# Altium PCB HAWACO_DATALOGER_DT-G2_V1.0.PcbDoc (part 3 of 3)
Units mm, origin at the board's own origin, x right, y up, seen from the top; angles counter-clockwise.
Board outline 100 x 100 mm, 4 copper layers (Top Layer, Layer 2, Layer 3, Bottom Layer), stack 1.597 mm thick; 246 components, 185 nets, 854 pads, 980 vias.
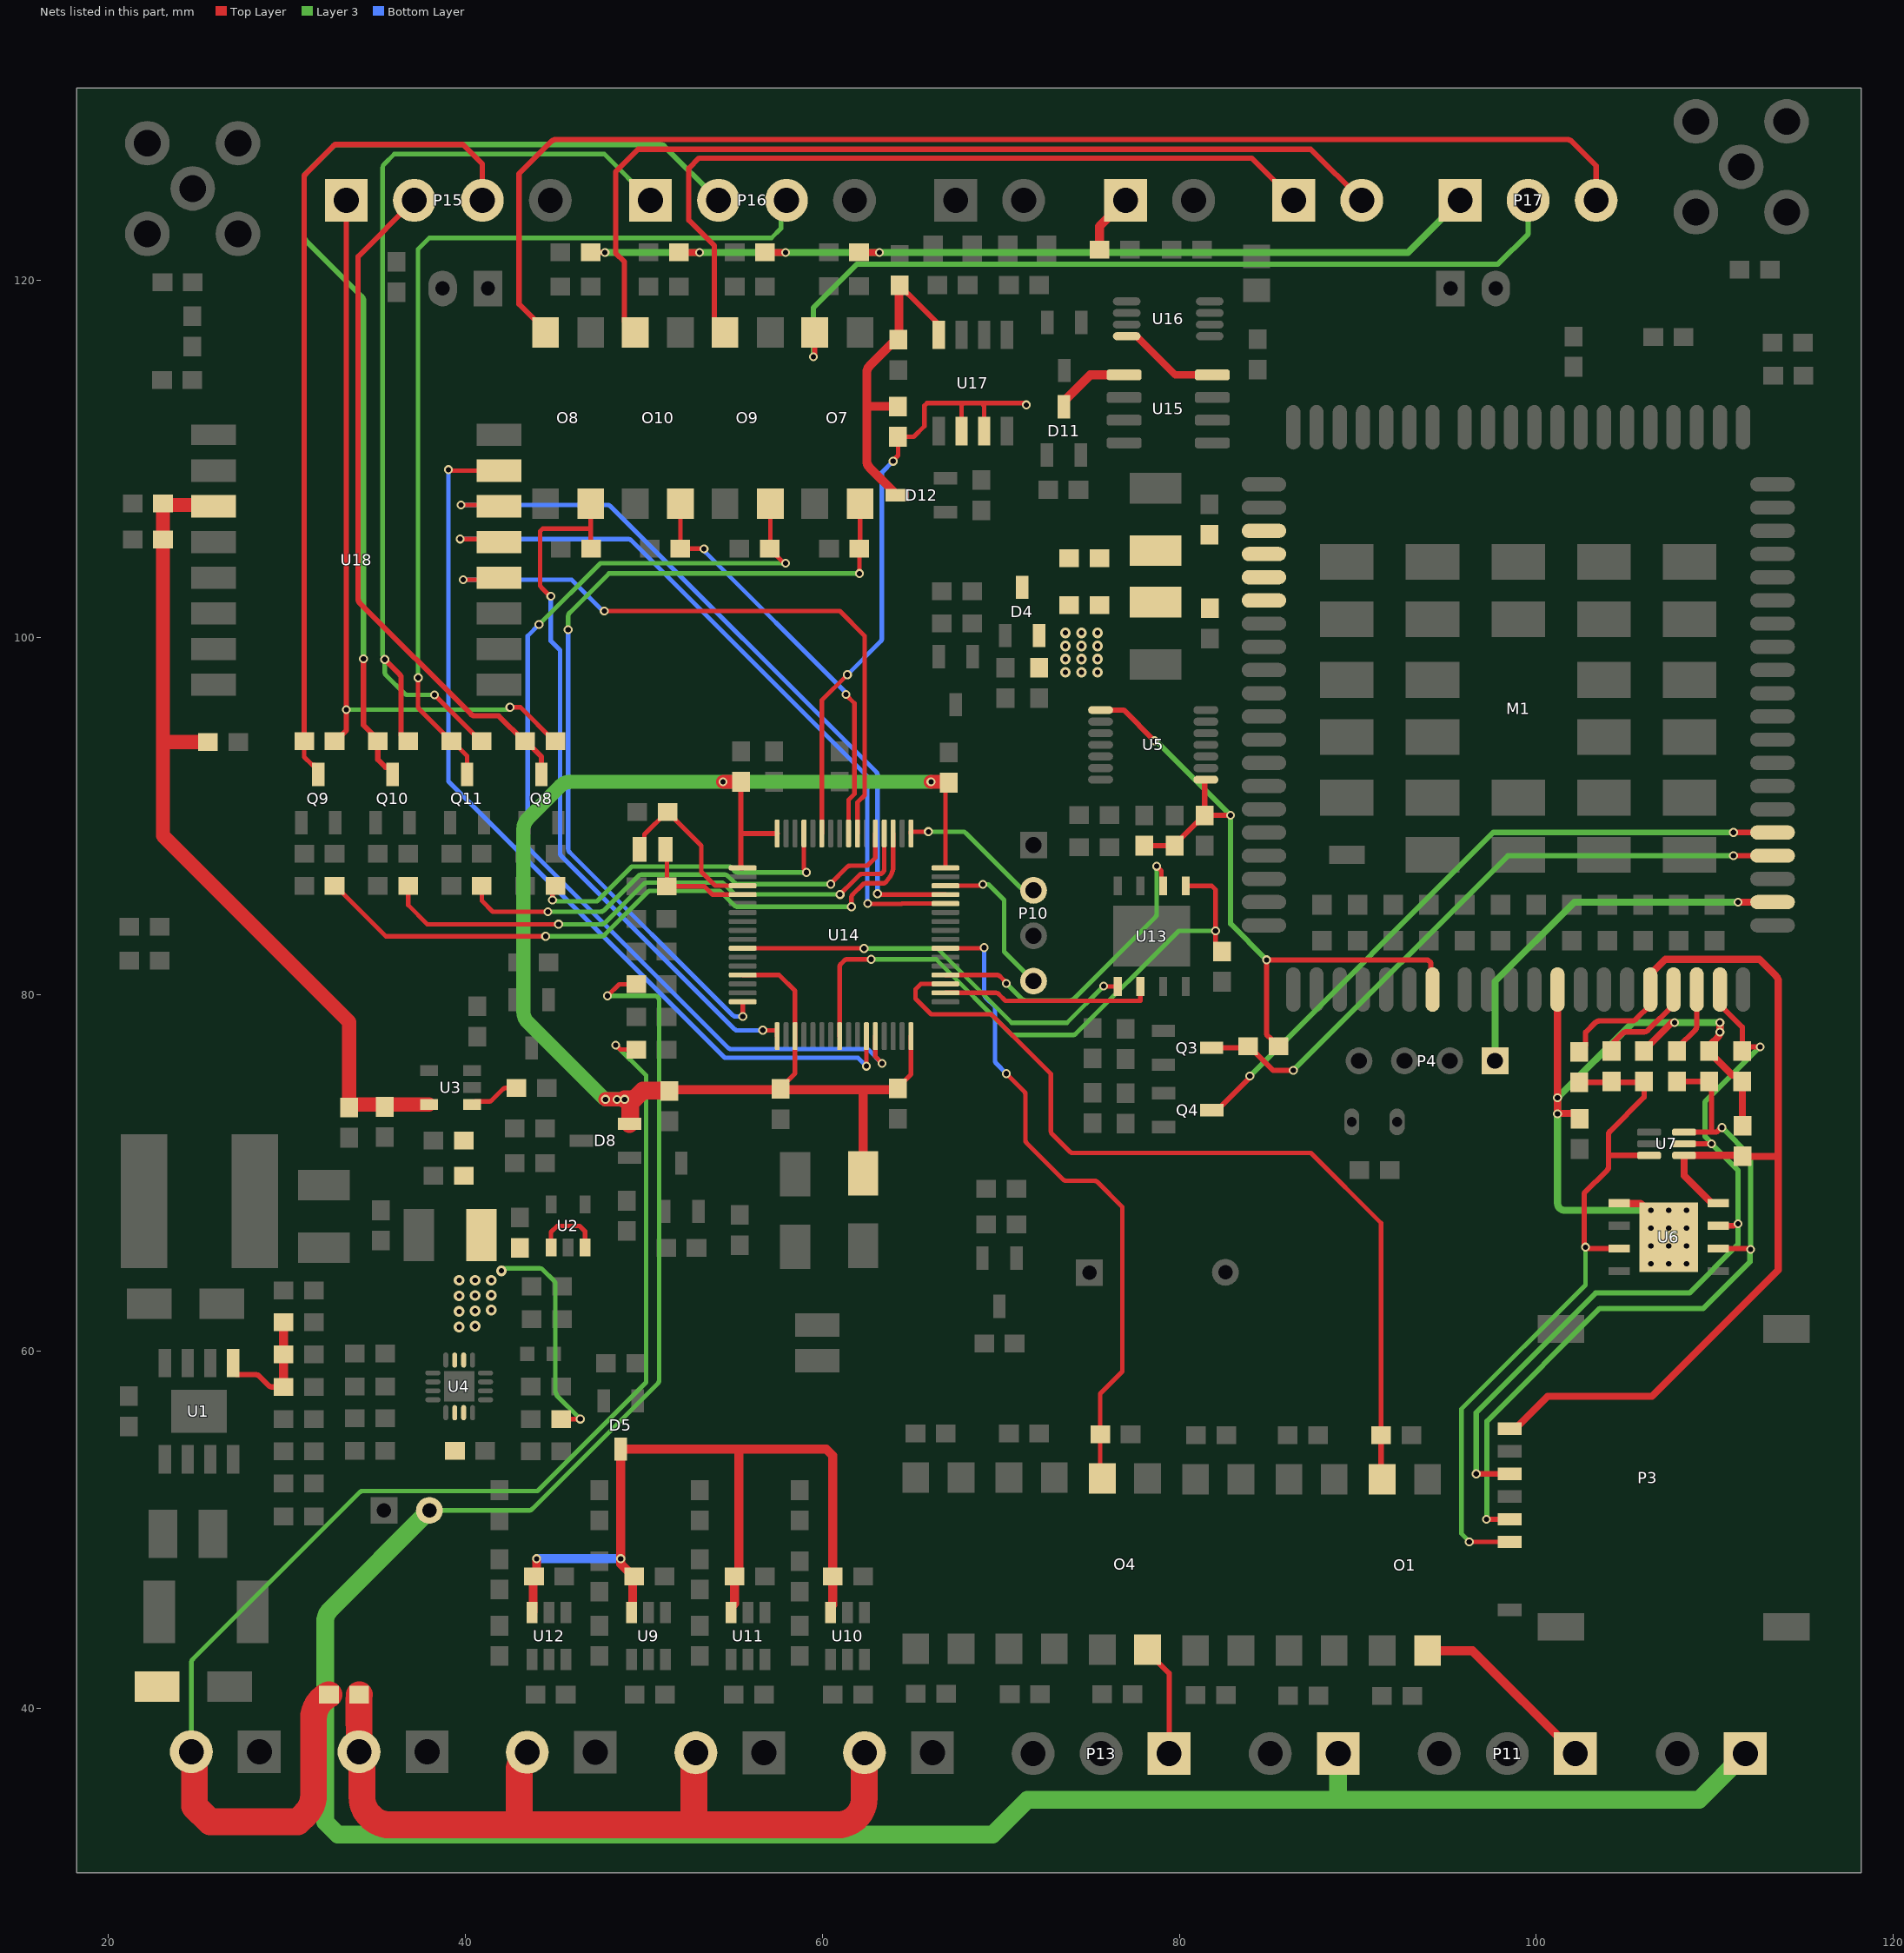
[diagram p5: the nets of this part, all layers, seen from the top]

## Via types
v1: diameter 0.6, hole 0.3, Top Layer to Bottom Layer, tented both sides, 674 vias
v2: diameter 0.5, hole 0.3, Top Layer to Bottom Layer, tented both sides, 306 vias

## Nets (pads, with @x,y where several pads share a name; then routed paths per layer and width w, separated by ;. In a path a pad name is that pad's centre, name@x,y a point inside that pad or via, vN(x,y) a via of type N, cw(c..) or ccw(c..) an arc to the next point about the centre after c; other vN are vias at no path point) (continued)
OPTO1: O7.2 P17.2 | length 47.8
  Top Layer w0.3: v2(59.489,115.722) 59.568,115.801 O7.2@59.568,117.09
  Layer 3 w0.3: v2(59.489,115.722) 59.489,118.456 61.941,120.907 97.845,120.907 99.543,122.605 P17.2@99.543,124.485
OPTO2: O8.2 P17.3 | length 73.2
  Top Layer w0.3: O8.2@44.48,117.09 44.48,117.19 43.002,118.668 43.002,125.975 44.824,127.796 cw(c45.036,127.584) 45.036,127.884 101.76,127.884 cw(c101.76,127.584) 101.972,127.796 103.353,126.416 P17.3@103.353,124.485
OPTO3: O9.2 P18.1 | length 45.1
  Top Layer w0.3: O9.2@54.539,117.09 53.939,117.69 53.939,118.399 53.936,118.402 53.936,121.953 52.51,123.379 52.51,126.271 53.086,126.848 84.049,126.848 P18.1@86.411,124.485
OPTO4: O10.2 P18.2 | length 53
  Top Layer w0.3: O10.2@49.509,117.09 48.909,117.69 48.909,121.042 48.414,121.538 48.414,126.09 49.671,127.348 87.359,127.348 P18.2@90.221,124.485
OPTO_IN1: O7.4 R79.1 U14.16 | length 48.9
  Top Layer w0.254: v2(55.534,78.761) U14.16@55.534,79.587 ; v2(62.069,103.578) R79.1@62.069,104.966 62.108,105.005 O7.4@62.108,107.499
  Layer 3 w0.254: v2(45.754,100.432) 45.754,101.185 cw(c46.008,101.185) 45.829,101.365 48.042,103.578 v2(62.069,103.578)
  Bottom Layer w0.254: 45.754,88.156 v2(45.754,100.432) ; 45.754,88.156 ccw(c46.008,88.158) 45.828,87.98 54.972,78.835 ccw(c55.152,79.015) 55.152,78.761 v2(55.534,78.761)
OPTO_IN2: O8.4 R87.1 U14.17 | length 40.6
  Top Layer w0.254: v2(44.782,102.303) 44.748,102.303 44.256,102.794 cw(c44.436,102.973) 44.182,102.973 44.182,105.946 44.331,106.094 47.02,106.094 ; O8.4@47.02,107.499 47.02,106.094 ; R87.1@47.032,104.966 47.02,104.978 47.02,106.094 ; v2(56.658,77.996) 56.724,77.987 57.451,77.987 57.464,77.974 U14.17@57.464,77.657
  Bottom Layer w0.254: v2(44.782,102.303) 44.782,99.798 45.3,99.28 45.3,87.926 ccw(c45.554,87.926) 45.374,87.747 55.06,78.062 ccw(c55.239,78.241) 55.239,77.987 56.592,77.987 v2(56.658,77.996)
OPTO_IN3: O9.4 R92.1 U14.28 | length 58.3
  Top Layer w0.254: O9.4@57.079,107.499 57.079,105.005 R92.1@57.04,104.966 57.85,104.156 v2(57.935,104.156) ; U14.28@62.964,77.657 62.964,76.518 v2(63.345,76.138)
  Layer 3 w0.254: v2(44.122,100.718) v2(44.122,100.718) 47.559,104.156 v2(57.935,104.156)
  Bottom Layer w0.254: v2(44.122,100.718) 43.485,100.081 43.485,88.343 ccw(c43.739,88.345) 43.558,88.166 54.713,77.011 ccw(c54.893,77.191) 54.893,76.937 62.441,76.937 cw(c62.441,76.683) 62.62,76.862 v2(63.345,76.138)
OPTO_IN4: O10.4 R100.1 U14.56 | length 23.4
  Top Layer w0.254: O10.4@52.049,107.499 52.049,104.98 R100.1@52.036,104.966 53.358,104.966 v2(53.366,104.958) ; v2(61.316,96.799) 61.316,96.777 61.791,96.301 61.791,91.227 61.464,90.9 U14.56@61.464,89.017
  Bottom Layer w0.254: v2(53.366,104.958) v2(53.366,104.958) ccw(c53.62,104.958) 53.44,104.779 61.266,96.954 61.266,96.849 v2(61.316,96.799)
OSC32IN: C40.2 U14.3 X1.1 | length 9.6
  Top Layer w0.254: X1.1@49.755,88.128 50.028,88.401 50.028,88.958 51.28,90.21 C40.2@51.33,90.21 51.38,90.21 51.753,89.837 51.753,89.787 53.213,88.328 53.213,86.867 53.993,86.087 U14.3@55.534,86.087
OSC32OUT: C41.2 U14.4 X1.2 | length 6.5
  Top Layer w0.254: X1.2@51.205,88.128 51.287,88.046 C41.2@51.287,86.055 53.383,86.055 53.851,85.587 U14.4@55.534,85.587
"OUT 4-20mA": P14.1 R78.2 | length 3.4
  Top Layer w0.5: R78.2@75.528,121.717 75.528,123.026 P14.1@76.987,124.485
OUTPUT1: P15.2 Q8.3 R82.1 | length 38.6
  Top Layer w0.3: P15.2@37.135,124.485 33.985,121.336 33.985,102.145 ccw(c34.285,102.147) 34.072,101.936 40.314,95.693 ccw(c40.526,95.906) 40.526,95.606 41.863,95.606 43.29,94.179 R82.1@43.34,94.179 43.39,94.179 44.255,93.314 Q8.3@44.255,92.321
OUTPUT2: P15.3 Q9.3 R84.1 | length 47.1
  Top Layer w0.254: R84.1@30.964,94.179 30.964,93.298 31.418,92.844 31.534,92.844 31.757,92.621 Q9.3@31.757,92.321
  Top Layer w0.3: R84.1@30.964,94.179 30.964,125.889 32.685,127.61 39.853,127.61 40.945,126.517 P15.3@40.945,124.485
OUTPUT3: P16.2 Q10.3 R93.1 | length 61
  Top Layer w0.3: v2(34.285,98.794) 34.285,95.085 35.14,94.23 R93.1@35.089,94.179 35.089,93.155 35.523,92.721 35.823,92.721 35.923,92.621 Q10.3@35.923,92.321
  Layer 3 w0.3: v2(34.285,98.794) 34.285,118.876 ccw(c33.985,118.876) 34.197,119.089 31.052,122.234 cw(c31.264,122.446) 30.964,122.446 30.964,125.764 cw(c31.264,125.764) 31.052,125.977 32.597,127.522 cw(c32.809,127.31) 32.809,127.61 50.93,127.61 cw(c50.93,127.31) 51.142,127.522 P16.2@54.178,124.485
OUTPUT4: P16.3 Q11.3 R96.1 | length 53.1
  Top Layer w0.254: v2(37.351,97.737) 37.339,97.726 37.339,96.16 ccw(c37.593,96.16) 37.414,95.98 R96.1@39.215,94.179 39.265,94.179 40.089,93.354 Q11.3@40.089,92.321
  Layer 3 w0.254: v2(37.351,97.737) 37.339,97.748 37.339,121.743 37.97,122.374 57.146,122.374 57.676,122.904 57.676,124.173 P16.3@57.988,124.485
PWM1: O1.2 P11.1 | length 10.7
  Top Layer w0.5: O1.2@93.904,43.236 96.419,43.236 P11.1@102.184,37.471
PWM2: O4.2 P13.1 | length 6.3
  Top Layer w0.3: O4.2@78.207,43.287 78.207,43.187 79.426,41.968 P13.1@79.426,37.471
PWMIN1: O1.4 R49.2 U14.35 | length 49.9
  Top Layer w0.254: U14.35@66.894,80.587 65.521,80.587 65.221,80.288 65.221,79.755 66.098,78.878 69.462,78.878 72.803,75.537 72.803,72.346 ccw(c73.057,72.346) 72.878,72.166 73.85,71.194 ccw(c74.029,71.374) 74.029,71.12 87.369,71.12 91.301,67.188 R49.2@91.301,55.296
  Top Layer w0.3: R49.2@91.301,55.296 91.301,52.889 O1.4@91.364,52.827
PWMIN2: O4.4 R61.2 U14.39 | length 36.7
  Top Layer w0.254: U14.39@66.894,82.587 69.036,82.587 v2(69.067,82.618) ; v2(70.309,75.562) 71.304,74.567 cw(c71.124,74.387) 71.378,74.387 71.378,71.845 ccw(c71.632,71.845) 71.452,71.665 73.484,69.634 ccw(c73.663,69.814) 73.663,69.56 75.232,69.56 cw(c75.232,69.306) 75.412,69.485 76.81,68.087 76.81,58.877 75.567,57.634 R61.2@75.567,55.347 75.567,52.977 O4.4@75.667,52.877
  Bottom Layer w0.254: v2(69.067,82.618) 69.067,81.306 69.067,80.02 ccw(c69.321,80.02) 69.141,79.841 69.668,79.314 69.668,76.307 ccw(c69.922,76.307) 69.743,76.128 v2(70.309,75.562)
PWRKEY: M1.21 Q4.3 | length 37.9
  Top Layer w0.3: Q4.3@81.815,73.514 82.115,73.514 83.946,75.345 v2(83.946,75.427) ; v2(111.049,89.07) M1.21@113.237,89.07
  Layer 3 w0.3: v2(83.946,75.427) 97.59,89.07 v2(111.049,89.07)
RESET: M1.20 Q3.3 R19.1 | length 37
  Top Layer w0.3: Q3.3@81.801,77.008 83.778,77.008 R19.1@83.859,77.089 83.909,77.089 85.249,75.749 v2(86.387,75.749) ; v2(111.049,87.77) M1.20@113.237,87.77
  Layer 3 w0.3: v2(86.387,75.749) 98.408,87.77 v2(111.049,87.77)
RS485: R105.1 U14.59 U17.2 U17.3 | length 35.9
  Top Layer w0.254: U14.59@59.964,89.017 59.964,96.474 v2(61.401,97.911) ; v2(63.964,109.871) 63.964,109.922 64.237,110.195 R105.1@64.237,111.24 65.119,111.24 65.715,111.837 65.715,112.976 65.864,113.125 67.893,113.125 ; U17.2@67.793,111.549 67.793,113.024 67.893,113.125 ; U17.3@69.063,111.549 69.063,112.976 68.914,113.125 ; v2(71.428,113.024) 71.327,113.125 68.914,113.125 ; 67.893,113.125 68.914,113.125
  Bottom Layer w0.254: v2(61.401,97.911) 63.258,99.77 ccw(c63.078,99.95) 63.332,99.947 63.332,99.948 63.332,109.239 v2(63.964,109.871)
SIM_CLK: M1.16 R32.1 | length 3.9
  Top Layer w0.3: R32.1@107.874,76.821 107.874,76.847 cw(c108.174,76.847) 107.962,77.06 108.898,77.996 ccw(c108.687,78.208) 108.987,78.208 M1.16@108.987,80.27
SIM_CLKb: C27.2 P3.3 R32.2 U6.6 U7.6 | length 42.2
  Top Layer w0.3: v2(97.206,50.597) P3.3@98.501,50.597 ; R32.2@107.874,75.121 C27.2@109.693,75.121 109.81,75.004 109.81,72.281 ; U7.6@108.28,72.281 109.81,72.281 ; U6.6@110.189,65.769 111.948,65.769 v2(112.005,65.711) ; v2(110.404,72.539) 110.35,72.539 110.092,72.281 109.81,72.281
  Layer 3 w0.3: v2(97.206,50.597) 97.231,50.622 97.231,56.083 103.556,62.408 109.356,62.408 111.967,65.019 111.967,65.673 v2(112.005,65.711) 112.005,70.938 v2(110.404,72.539)
SIM_DATA: M1.15 R34.1 | length 5.6
  Top Layer w0.3: R34.1@104.216,76.821 104.216,77.069 cw(c104.516,77.069) 104.304,77.282 104.837,77.814 cw(c105.049,77.602) 105.049,77.902 106.044,77.902 ccw(c106.044,78.202) 106.256,77.99 107.687,79.42 M1.15@107.687,80.27
SIM_DATAb: C28.2 P3.7 R31.2 R34.2 U6.3 U7.3 | length 40.4
  Top Layer w0.254: v2(96.241,49.327) P3.7@98.501,49.327
  Top Layer w0.3: R31.2@102.413,75.071 105.986,75.071 C28.2@106.041,75.126 106.041,74.246 104.124,72.329 ccw(c104.303,72.149) 104.049,72.149 104.049,70.981 ; U6.3@104.649,65.769 102.825,65.769 102.676,65.917 102.676,68.858 103.975,70.157 ccw(c103.795,70.336) 104.049,70.336 104.049,70.981 ; U7.3@106.32,70.981 104.049,70.981
  Layer 3 w0.254: v2(96.241,49.327) 96.241,49.356 95.809,49.787 95.809,56.781 102.751,63.723 v2(102.751,65.843)
SIM_GND: C21.1 C26.1 C27.1 C28.1 M1.10 R33.2 U6.1 U6.9 | length 44
  Top Layer w0.4: M1.10@101.187,80.27 v2(101.187,74.207) 101.187,73.483 101.338,73.331 102.144,73.331 R33.2@102.438,73.037 ; U6.1@104.649,68.309 104.674,68.284 105.839,68.284 107.419,66.704 U6.9@107.419,66.404 ; C28.1@106.041,76.826 106.041,76.876 107.589,78.424 v2(107.75,78.424) ; v2(110.287,78.424) v2(110.287,77.886) cw(c109.887,77.886) 110.169,77.603 109.81,77.243 ccw(c110.093,76.961) 109.693,76.961 C27.1@109.693,76.821 109.693,76.771 110.988,75.476 111.238,75.476 111.538,75.176 C26.1@111.538,75.126 111.55,75.114 111.55,72.643 C21.1@111.563,72.63
  Layer 3 w0.4: v1(106.419,67.904) 101.587,67.904 cw(c101.587,68.304) 101.187,68.304 v2(101.187,73.31) v2(101.187,74.207) 105.403,78.424 v2(107.75,78.424) v2(110.287,78.424) v2(110.287,77.886)
  other v1: 106.419,64.904 107.419,64.904 108.419,64.904 106.419,65.904 107.419,65.904 108.419,65.904 106.419,66.904 107.419,66.904 108.419,66.904 107.419,67.904 108.419,67.904
SIM_RST: C26.2 M1.17 P3.2 U6.7 U7.5 | length 44.7
  Top Layer w0.3: v2(96.631,53.141) 96.635,53.137 P3.2@98.501,53.137 ; U7.5@108.28,71.631 v2(109.814,71.631) ; U6.7@110.189,67.039 111.062,67.039 v2(111.298,67.154) ; M1.17@110.287,80.27 110.287,79.42 111.538,78.169 C26.2@111.538,76.826 111.771,77.06 v2(112.538,77.06)
  Layer 3 w0.3: v2(96.631,53.141) 96.631,56.575 103.327,63.271 108.587,63.271 111.298,65.982 v2(111.298,67.154) 111.309,67.233 111.309,70.137 v2(109.814,71.631) 109.814,71.685 109.45,72.05 109.45,73.972 v2(112.538,77.06)
SIM_VCC: C21.2 M1.14 P3.1 R31.1 U6.8 U7.4 | length 59.2
  Top Layer w0.3: R31.1@102.413,76.771 102.763,77.121 102.763,77.871 103.316,78.424 cw(c103.528,78.211) 103.528,78.511 105.354,78.511 ccw(c105.354,78.811) 105.566,78.599 106.387,79.42 M1.14@106.387,80.27
  Top Layer w0.4: P3.1@98.501,55.677 98.826,55.677 100.63,57.48 106.477,57.48 113.557,64.56 113.557,70.881 ; M1.14@106.387,80.27 106.387,81.12 107.232,81.966 112.497,81.966 113.44,81.023 cw(c113.157,80.74) 113.557,80.741 113.557,71.33 113.557,70.881 ; U6.8@110.189,68.309 109.814,68.309 108.28,69.843 U7.4@108.28,70.981 109.545,70.981 110.404,70.981 111.512,70.981 C21.2@111.563,70.93 113.508,70.93 113.557,70.881
SPI1_CLK: U14.55 U18.12 | length 37.1
  Top Layer w0.254: v2(39.869,103.226) 41.766,103.226 U18.12@41.884,103.343 ; v2(47.777,101.473) 60.971,101.473 62.368,100.076 62.368,91.162 61.964,90.758 U14.55@61.964,89.017
  Bottom Layer w0.254: v2(39.869,103.226) 45.949,103.226 47.701,101.473 v2(47.777,101.473)
SPI1_CS: U14.27 U18.15 | length 52
  Top Layer w0.254: v2(39.042,109.398) 39.096,109.343 U18.15@41.884,109.343 ; v2(62.464,75.98) U14.27@62.464,77.657
  Bottom Layer w0.254: v2(39.042,109.398) 39.042,91.935 54.524,76.453 61.991,76.453 v2(62.464,75.98)
SPI1_MISO: U14.44 U18.13 | length 42.1
  Top Layer w0.254: v2(39.7,105.512) 41.715,105.512 U18.13@41.884,105.343 ; v2(62.534,85.087) 62.555,85.067 64.434,85.067 64.455,85.087 U14.44@66.894,85.087
  Bottom Layer w0.254: v2(39.7,105.512) 49.11,105.512 cw(c49.11,105.258) 49.29,105.437 62.431,92.295 cw(c62.252,92.115) 62.506,92.116 ; 62.506,92.115 62.506,85.115 v2(62.534,85.087)
SPI1_MOSI: U14.45 U18.14 | length 42.3
  Top Layer w0.254: v2(39.751,107.417) 41.81,107.417 U18.14@41.884,107.343 ; v2(63.083,85.644) 63.131,85.596 63.218,85.596 63.227,85.587 U14.45@66.894,85.587
  Bottom Layer w0.254: v2(39.751,107.417) 47.951,107.417 cw(c47.951,107.163) 48.131,107.342 63.008,92.465 cw(c62.829,92.284) 63.083,92.285 ; v2(63.083,85.644) 63.083,92.284
SPI2_CLK: U13.6 U14.34 | length 11.9
  Top Layer w0.254: U14.34@66.894,80.087 69.701,80.087 cw(c69.701,79.833) 69.881,80.013 70.252,79.642 77.816,79.642 U13.6@77.816,80.444
SPI2_CS: R55.2 U13.1 U14.24 | length 34.7
  Top Layer w0.254: U14.24@60.964,77.657 60.964,81.534 cw(c61.218,81.534) 61.039,81.714 61.218,81.893 cw(c61.397,81.713) 61.397,81.967 v2(62.737,81.968) ; U13.1@80.356,86.084 81.806,86.084 82.025,85.865 v2(82.025,83.559) 82.025,82.782 R55.2@82.398,82.409
  Layer 3 w0.254: v2(62.737,81.968) 62.806,81.968 66.372,81.968 70.616,77.724 74.021,77.724 ccw(c74.021,77.978) 74.201,77.798 79.962,83.559 v2(82.025,83.559)
SPI2_MISO: U13.5 U14.10 | length 23.6
  Top Layer w0.254: U14.10@55.534,82.587 61.755,82.587 cw(c61.755,82.333) 61.798,82.584 61.814,82.581 62.326,82.581 v2(62.332,82.575) ; v2(75.751,80.466) 75.774,80.444 U13.5@76.546,80.444
  Layer 3 w0.254: v2(62.332,82.575) 66.441,82.575 70.604,78.412 73.697,78.412 v2(75.751,80.466)
SPI2_MOSI: U13.2 U14.36 | length 18.4
  Top Layer w0.254: U14.36@66.894,81.087 69.767,81.087 cw(c69.767,80.833) 69.947,81.012 70.305,80.654 v2(70.305,80.618) ; v2(78.726,87.18) 78.988,86.918 78.988,86.182 U13.2@79.086,86.084
  Layer 3 w0.254: v2(70.305,80.618) 71.178,79.744 ccw(c71.358,79.924) 71.358,79.67 73.892,79.67 ccw(c73.892,79.924) 74.072,79.745 78.652,84.324 ccw(c78.472,84.504) 78.726,84.504 v2(78.726,87.18)
SWDCLK: P10.2 U14.49 | length 8.3
  Top Layer w0.254: U14.49@64.964,89.017 64.964,89.104 64.977,89.117 v2(65.938,89.117)
  Layer 3 w0.254: v2(65.938,89.117) 67.852,89.117 cw(c67.852,88.863) 68.032,89.042 71.06,86.014 ccw(c71.239,86.193) 71.239,85.939 71.718,85.939 P10.2@71.831,85.827
SWDIO: P10.4 U14.46 | length 8.9
  Top Layer w0.254: U14.46@66.894,86.087 68.85,86.087 68.926,86.164 v2(68.988,86.164)
  Layer 3 w0.254: v2(68.988,86.164) 68.994,86.157 69.308,86.157 70.18,85.285 70.18,82.398 71.812,80.766 71.812,80.727 P10.4@71.831,80.747
TRANS_OUT1: R85.1 U14.61 | length 18.3
  Top Layer w0.254: v2(44.878,85.283) 44.878,85.916 R85.1@45.04,86.079 ; U14.61@58.964,89.017 58.964,87.043 59.104,86.903 v2(59.104,86.836)
  Layer 3 w0.254: v2(44.878,85.283) 44.925,85.236 45.117,85.236 45.141,85.212 47.366,85.212 49.317,87.163 54.819,87.163 55.071,86.91 ccw(c55.251,87.09) 55.251,86.836 v2(59.104,86.836)
TRANS_OUT2: R86.1 U14.51 | length 37.2
  Top Layer w0.254: R86.1@32.664,86.079 32.714,86.079 35.535,83.258 v2(44.49,83.258) ; v2(61.62,84.912) 61.62,85.412 61.618,85.414 cw(c61.872,85.414) 61.692,85.594 62.244,86.146 cw(c62.424,85.967) 62.423,86.221 ; 62.424,86.221 63.383,86.221 ccw(c63.381,86.475) 63.586,86.324 63.78,86.587 ccw(c63.21,87.007) 63.875,86.763 63.934,86.924 cw(c64.172,86.836) 63.941,86.942 ccw(c63.71,87.047) 63.964,87.047 U14.51@63.964,89.017
  Layer 3 w0.254: v2(44.49,83.258) 47.618,83.258 ccw(c47.618,83.512) 47.798,83.332 50.192,85.726 cw(c50.372,85.547) 50.371,85.801 ; 50.372,85.801 54.149,85.801 cw(c54.149,85.547) 54.329,85.726 55.069,84.987 ccw(c55.249,85.166) 55.249,84.912 v2(61.62,84.912)
TRANS_OUT3: R97.1 U14.52 | length 32
  Top Layer w0.254: R97.1@36.789,86.079 36.789,85.004 37.863,83.93 v2(45.215,83.93) ; v2(60.985,85.598) 61.784,86.396 62.065,86.678 cw(c62.246,86.499) 62.244,86.753 ; 62.246,86.753 63.21,86.753 ccw(c63.21,87.007) 63.464,87.007 U14.52@63.464,89.017
  Layer 3 w0.254: v2(45.215,83.93) 47.63,83.93 ccw(c47.63,84.184) 47.81,84.005 49.985,86.18 cw(c50.165,86.001) 50.164,86.255 ; 50.165,86.255 54.322,86.255 cw(c54.322,86.001) 54.491,86.191 54.618,86.078 cw(c54.149,85.547) 54.651,86.047 54.77,85.928 55.026,85.672 ccw(c55.205,85.852) 55.205,85.598 v2(60.985,85.598)
TRANS_OUT4: R98.1 U14.53 | length 26.2
  Top Layer w0.254: R98.1@40.915,86.079 40.915,85.255 41.535,84.635 v2(44.614,84.635) ; v2(60.464,86.175) 60.464,86.22 61.377,87.133 cw(c61.556,86.953) 61.556,87.207 62.515,87.207 62.964,87.655 U14.53@62.964,89.017
  Layer 3 w0.254: v2(44.614,84.635) 47.572,84.635 ccw(c47.572,84.889) 47.752,84.709 49.677,86.634 cw(c49.857,86.455) 49.856,86.709 ; 49.857,86.709 54.51,86.709 cw(c54.51,86.455) 54.685,86.639 54.945,86.394 cw(c54.149,85.547) 54.972,86.368 55.091,86.249 ccw(c55.27,86.429) 55.27,86.175 v2(60.464,86.175)
USB_BOOST: M1.115 P4.1 | length 21.8
  Top Layer w0.381: v2(111.304,85.17) M1.115@113.237,85.17
  Layer 3 w0.381: P4.1@97.687,76.279 97.687,80.72 102.137,85.17 v2(111.304,85.17)
V_DD: D4.3 L2.1 L3.1
V_OUTPUT12: P15.1 R82.2 R84.2 | length 43.2
  Top Layer w0.254: v2(42.494,96.088) 43.081,96.088 44.99,94.179 R82.2@45.04,94.179
  Top Layer w0.3: R84.2@32.664,94.179 32.714,94.179 33.325,94.79 v2(33.325,95.949) P15.1@33.325,124.485
  Layer 3 w0.254: v2(33.325,95.949) 42.25,95.949 ccw(c42.25,96.203) 42.43,96.024 v2(42.494,96.088)
V_OUTPUT34: P16.1 R93.2 R96.2 | length 57
  Top Layer w0.254: v2(38.268,96.776) 40.865,94.179 R96.2@40.915,94.179
  Top Layer w0.3: v2(35.479,98.76) 36.301,97.938 cw(c36.089,97.726) 36.389,97.726 36.389,94.529 36.739,94.179 R93.2@36.789,94.179
  Layer 3 w0.254: v2(38.268,96.776) 36.762,96.776 cw(c36.762,97.03) 36.582,96.85 35.553,97.88 cw(c35.733,98.059) 35.479,98.059 v2(35.479,98.76) 35.445,98.794 cw(c35.657,99.006) 35.357,99.006 35.357,126.294 cw(c35.657,126.294) 35.445,126.506 36.015,127.076 47.778,127.076 P16.1@50.368,124.485
VB_OUT: C10.1 C11.2 C12.2 C13.2 D4.2 R5.2 R8.1 R17.2 U2.1 U2.3 U3.1 U4.10 U4.11 | length 19.2
  Top Layer w0.254: U3.1@40.367,73.828 40.54,74.001 41.302,74.001 ccw(c41.302,74.255) 41.482,74.076 42.092,74.685 cw(c42.272,74.506) 42.271,74.76 ; 42.272,74.76 R5.2@42.852,74.76 ; U2.1@44.795,65.831 44.795,66.681 45.145,67.031 46.402,67.031 46.695,66.737 U2.3@46.695,65.831 ; R8.1@45.356,56.211 v2(46.431,56.211)
  Layer 3 w0.254: v1@42.187,64.65 44.16,64.65 cw(c44.16,64.396) 44.341,64.574 44.957,63.958 cw(c44.777,63.779) 45.031,63.78 ; 45.031,63.779 45.031,57.791 ccw(c45.285,57.791) 45.105,57.612 45.105,57.537 v2(46.431,56.211)
  other v1: 39.647,61.365 40.538,61.415 39.647,62.239 40.538,62.272 41.449,62.315 39.647,63.113 40.538,63.129 41.449,63.151 39.647,63.987 40.538,63.987 41.449,63.987 42.012,64.516 73.611,98.044 74.512,98.044 75.413,98.044 73.611,98.781 74.512,98.781 75.413,98.781 73.611,99.517 74.512,99.517 75.413,99.517 73.618,100.253 74.518,100.253 75.419,100.253
VBAT: C18.2 P2.2 P9.1 P12.1 R52.2 U4.2 U4.3 | length 146.3
  Top Layer w0.254: v2(47.955,79.921) 48.605,80.571 R52.2@49.565,80.571
  Layer 3 w0.254: P2.2@37.974,51.09 43.555,51.09 ccw(c43.555,51.344) 43.735,51.165 50.776,58.206 ccw(c50.597,58.386) 50.851,58.386 50.851,79.666 ccw(c50.597,79.667) 50.597,79.921 v2(47.955,79.921)
  Layer 3 w1: P2.2@37.974,51.09 32.429,45.545 ccw(c33.136,44.838) 32.136,44.838 32.136,33.643 32.84,32.939 69.543,32.939 71.484,34.88 88.9,34.88 ; P12.1@88.9,37.471 88.9,34.88 ; P9.1@111.709,37.471 109.118,34.88 88.9,34.88
VBAT_BB: C22.1 C24.1 L2.2 M1.59 M1.60
VBAT_RF: C23.1 C25.1 L3.2 M1.57 M1.58
VCC_AIN: C29.1 C30.1 C31.1 C32.1 D5.3 U9.6 U10.6 U11.6 U12.6 | length 47.6
  Top Layer w0.5: U12.6@43.74,45.376 43.79,45.426 43.79,47.337 C32.1@43.84,47.387 43.985,47.532 v2(43.985,48.387) ; U9.6@49.31,45.376 49.365,45.431 49.365,47.294 C29.1@49.458,47.387 49.408,47.387 48.696,48.099 v2(48.696,48.387) D5.3@48.696,54.525 55.315,54.525 ; U11.6@54.879,45.376 54.879,45.671 55.075,45.867 C31.1@55.075,47.387 55.315,47.627 55.315,54.525 ; U10.6@60.449,45.376 60.449,45.671 60.574,45.796 C30.1@60.574,47.387 60.574,54.169 60.218,54.525 55.315,54.525
  Bottom Layer w0.5: v2(43.985,48.387) v2(48.696,48.387)
VCC_LORA: C16.2 C17.2 C49.2 C50.2 R110.2 U3.5 U18.3 | length 48.1
  Top Layer w0.8: R110.2@25.566,94.132 23.049,94.132 ; U18.3@25.884,107.343 25.809,107.418 23.124,107.418 C49.2@23.049,107.493 C50.2@23.049,105.486 23.049,94.132 ; C17.2@33.473,73.669 C17.2@33.473,73.719 ; U3.5@37.967,73.828 33.581,73.828 C17.2@33.473,73.719 ; 23.049,94.132 23.049,88.889 33.473,78.465 C17.2@33.473,73.719
VCC_OUT4-20mA: D11.3 U15.1 | length 4.3
  Top Layer w0.5: D11.3@73.522,112.921 73.522,113.221 75.007,114.706 U15.1@76.905,114.706
VCC_RS485: C48.2 D12.3 R105.2 R111.1 U17.8 | length 18.7
  Top Layer w0.3: C48.2@64.316,119.721 64.665,119.372 64.8,119.236 cw(c64.589,119.024) 64.802,119.235 66.434,117.603 cw(c66.223,117.39) 66.523,117.39 U17.8@66.523,116.949
  Top Layer w0.5: D12.3@64.193,107.966 62.629,109.53 cw(c62.983,109.883) 62.483,109.883 62.483,112.94 ; R105.2@64.237,112.94 62.483,112.94 ; C48.2@64.316,119.721 64.289,119.694 64.289,116.701 R111.1@64.262,116.674 ccw(c64.323,116.178) 63.969,116.531 62.63,115.192 ccw(c62.983,114.838) 62.483,114.838 62.483,112.94
VDD_MCU: C42.2 C43.2 C44.2 C45.2 D8.2 D9.2 R70.2 U14.1 U14.13 U14.19 U14.32 U14.48 U14.64 | length 91
  Top Layer w0.254: U14.13@55.534,81.087 57.574,81.087 58.464,80.197 U14.19@58.464,77.657 58.464,75.569 57.686,74.792 57.658,74.763 C42.2@57.658,74.713 ; C45.2@64.221,74.739 64.221,74.789 64.964,75.531 U14.32@64.964,77.657 ; U14.48@66.894,87.087 66.894,91.668 C43.2@67.086,91.86
  Top Layer w0.3: C44.2@55.43,91.91 C44.2@55.432,91.912 55.432,89.017 ; U14.1@55.534,87.087 55.442,87.087 55.432,87.097 55.432,89.017 ; U14.64@57.464,89.017 55.432,89.017
  Top Layer w0.5: R70.2@51.43,74.594 51.502,74.667 C42.2@57.636,74.667 ; C42.2@57.658,74.713 ccw(c57.869,75.166) 57.869,74.666 62.281,74.666 D9.2@62.281,69.977 ; 62.281,74.667 64.149,74.667 C45.2@64.221,74.739
  Top Layer w0.8: v2(47.844,74.119) 47.847,74.117 v2(48.489,74.117) v2@48.919,74.117 ; v2(54.432,91.91) C44.2@55.43,91.91 ; v2(66.086,91.91) 67.036,91.91 C43.2@67.086,91.86
  Top Layer w1: v2(48.919,74.119) 49.185,74.119 49.235,74.069 49.235,72.791 D8.2@49.194,72.75 ; 49.344,74.024 49.93,74.61 R70.2@51.43,74.61 ; C42.2@57.636,74.667 57.658,74.689 C42.2@57.658,74.713
  Layer 3 w0.8: v2(48.919,74.119) 48.917,74.117 47.847,74.117 v2(47.844,74.119) cw(c48.26,74.803) 47.694,74.237 43.484,78.447 cw(c44.051,79.012) 43.322,78.684 43.319,78.689 cw(c44.049,79.017) 43.249,79.017 43.249,89.273 cw(c44.049,89.273) 43.483,89.838 45.321,91.676 cw(c45.886,91.11) 45.888,91.91 v2(54.432,91.91) v2(66.086,91.91)
VEXD_1V8: C19.1 M1.7 R19.2 R20.2 R27.2 U5.1 U5.8 | length 42.4
  Top Layer w0.3: U5.8@75.587,95.93 76.877,95.93 v2(78.602,94.205) ; R27.2@78.033,88.33 R20.2@79.726,88.33 79.726,88.38 80.976,89.63 81.069,89.63 81.419,89.98 C19.1@81.419,90.03 ; U5.1@81.605,92.037 81.489,92.037 81.419,91.968 C19.1@81.419,90.03 ; v2(82.869,90.03) C19.1@81.419,90.03 ; R19.2@85.559,77.089 85.509,77.089 85.159,77.439 85.159,77.489 84.884,77.764 v2(84.884,81.934) 93.915,81.934 94.091,81.759 94.091,80.366 M1.7@94.187,80.27
  Layer 3 w0.3: v2(78.602,94.205) 78.694,94.205 v2(82.869,90.03) 82.869,83.949 v2(84.884,81.934)
VFB: C5.1 R2.1 R3.2 U1.5 | length 7.3
  Top Layer w0.3: U1.5@26.975,59.348 26.975,58.898 27.175,58.698 28.237,58.698 cw(c28.237,58.398) 28.449,58.609 28.964,58.094 ccw(c29.176,58.307) 29.176,58.007 R3.2@29.802,58.007
  Top Layer w0.5: R3.2@29.801,58.007 R2.1@29.802,59.842 C5.1@29.801,61.645
"VIN 24V": D1.1 P1.2 R1.1 R51.2 | length 74.9
  Top Layer w0.254: v2(48.415,77.161) 48.669,76.907 R51.2@49.565,76.907
  Top Layer w1.5: P1.2@24.638,37.573 24.81,37.401 24.81,34.534 25.689,33.655 30.609,33.655 31.048,34.094 ccw(c29.988,35.155) 31.488,35.155 31.488,39.419 cw(c32.988,39.419) R1.1@32.348,40.775 R1.1@32.348,40.775
  Layer 3 w0.254: P1.2@24.638,37.573 24.638,42.568 cw(c24.892,42.568) 24.712,42.748 34.064,52.099 cw(c34.244,51.92) 34.243,52.174 34.244,52.174 44.027,52.174 50.115,58.262 50.115,75.461 v2(48.415,77.161)
"VIN 24V1": P5.2 P6.2 P7.2 P8.2 R1.2 | length 46.5
  Top Layer w1.5: R1.2@34.048,40.775 34.048,40.772 cw(c32.348,40.775) 34.037,40.588 ccw(c35.528,40.423) 34.028,40.419 34.036,37.58 P7.2@34.036,37.573 34.088,37.442 cw(c32.694,36.888) 34.091,37.434 cw(c32.696,36.882) 34.196,36.882 34.196,35.039 ccw(c35.696,35.039) 34.636,33.979 34.703,33.911 ccw(c35.763,34.973) 35.763,33.473 43.005,33.473 ; P6.2@43.459,37.547 43.445,37.533 ccw(c44.505,36.472) 43.005,36.472 43.005,33.473 ; P5.2@52.908,37.516 ccw(c54.293,36.94) 52.793,36.94 52.793,33.473 ; P8.2@62.357,37.522 62.356,37.521 62.351,37.462 ccw(c63.845,37.334) 62.345,37.334 62.345,34.973 cw(c60.845,34.973) 60.845,33.473 52.793,33.473 ; 43.005,33.473 43.007,33.473 52.793,33.473
VIN_OPTO: P17.1 R80.1 R90.1 R94.1 R102.1 | length 53.4
  Top Layer w0.3: R90.1@47.019,121.564 v2(47.814,121.564)
  Top Layer w0.4: R102.1@51.96,121.564 v2(53.11,121.564) ; R94.1@56.786,121.564 v2(57.936,121.564) ; R80.1@62.049,121.571 62.056,121.564 v2(63.199,121.564)
  Layer 3 w0.4: v2(47.814,121.564) v2(53.11,121.564) v2(57.936,121.564) v2(63.199,121.564) 92.812,121.564 P17.1@95.733,124.485
VREG: U15.8 U16.8 | length 5.7
  Top Layer w0.4: U16.8@77.05,116.874 77.6,116.874 79.768,114.706 U15.8@81.845,114.706
pads on no net: M1.1 M1.2 M1.3 M1.4 M1.5 M1.6 M1.11 M1.12 M1.13 M1.18 M1.23 M1.24 M1.25 M1.26 M1.27 M1.28 M1.29 M1.30 M1.31 M1.32 M1.33 M1.34 M1.35 M1.37 M1.38 M1.39 M1.40 M1.41 M1.42 M1.43 M1.44 M1.45 M1.47 M1.55 M1.63 M1.64 M1.65 M1.66 M1.71 M1.88 M1.113 M1.114 M1.116 M1.117 M1.118 M1.119 M1.120 M1.121 M1.122 M1.123 M1.124 M1.125 M1.126 M1.127 M1.128 M1.129 M1.130 M1.131 M1.132 M1.133 M1.134 M1.135 M1.136 M1.137 M1.138 M1.139 M1.140 M1.141 M1.142 M1.143 M1.144 P3.6 P3.CD U1.0 U1.3 U2.4 U3.4 U4.7 U5.6 U5.9 U7.1 U9.5 U10.5 U11.5 U12.5 U13.9 U16.1 U17.0 U18.5 U18.6 U18.7 U18.8 U18.11

## Polygon pours and split planes (outlines as drawn)
GND on Top Layer "NONET_L-01_P-001" (solid, remove dead copper, pour order 16): 20.164,30.785 39.98,30.785 39.98,51.675 64.477,51.675 64.477,30.785 116.256,30.785 116.256,130.785 20.19,130.785
AGND on Top Layer "NONET_L-01_P-001" (solid, remove dead copper, pour order 8): 40.29,51.105 63.602,51.105 63.602,30.785 40.29,30.785
MASS2 on Top Layer "Top Mass1" (solid, remove dead copper, pour order 7): 19.899,130.81 19.914,130.795 19.914,108.966 19.914,105.969 19.899,105.969 19.899,30.81 18.237,30.81 18.212,30.785 18.212,130.785
MASS1 on Top Layer "Top Mass1" (solid, remove dead copper, pour order 0): 116.525,130.818 116.51,130.803 116.51,108.974 116.51,105.977 116.525,105.977 116.525,30.818 118.186,30.818 118.212,30.793 118.212,130.793
GND on Layer 2 "NONET_L-01_P-001" (solid, remove dead copper, pour order 25): 20.164,30.785 39.98,30.785 39.98,51.675 64.477,51.675 64.477,30.785 116.256,30.785 116.256,130.785 20.19,130.785
MASS2 on Layer 2 "Top Mass1" (solid, remove dead copper, pour order 6): 19.899,130.81 19.914,130.795 19.914,108.966 19.914,105.969 19.899,105.969 19.899,30.81 18.237,30.81 18.212,30.785 18.212,130.785
AGND on Layer 2 "NONET_L-01_P-001" (solid, remove dead copper, pour order 29): 40.29,51.105 63.602,51.105 63.602,30.785 40.29,30.785
AGND on Layer 2 "NONET_L-01_P-001" (solid, remove dead copper, pour order 22): 40.29,51.105 63.602,51.105 63.602,30.785 40.29,30.785
MASS1 on Layer 2 "Top Mass1" (solid, remove dead copper, pour order 1): 116.499,130.844 116.484,130.829 116.484,109 116.484,106.003 116.499,106.002 116.499,30.844 118.161,30.844 118.186,30.818 118.186,130.819
GND on Layer 3 "NONET_L-01_P-001" (solid, remove dead copper, pour order 26): 20.164,30.785 39.98,30.785 39.98,51.675 64.477,51.675 64.477,30.785 116.256,30.785 116.256,130.785 20.19,130.785
AGND on Layer 3 "NONET_L-01_P-001" (solid, remove dead copper, pour order 28): 40.29,51.105 63.602,51.105 63.602,30.785 40.29,30.785
AGND on Layer 3 "NONET_L-01_P-001" (solid, remove dead copper, pour order 23): 40.283,51.097 63.594,51.097 63.594,30.777 40.283,30.777
MASS2 on Layer 3 "Top Mass1" (solid, remove dead copper, pour order 5): 19.924,130.835 19.939,130.82 19.939,108.991 19.939,105.994 19.924,105.994 19.924,30.836 18.263,30.836 18.237,30.81 18.237,130.81
MASS1 on Layer 3 "Top Mass1" (solid, remove dead copper, pour order 2): 116.487,130.856 116.472,130.841 116.472,109.012 116.472,106.015 116.487,106.015 116.487,30.857 118.148,30.857 118.174,30.831 118.174,130.831
GND on Bottom Layer "NONET_L-01_P-001" (solid, remove dead copper, pour order 27): 20.164,30.785 39.98,30.785 39.98,51.675 64.477,51.675 64.477,30.785 116.256,30.785 116.256,130.785 20.19,130.785
AGND on Bottom Layer "NONET_L-01_P-001" (solid, remove dead copper, pour order 24): 40.29,51.105 63.602,51.105 63.602,30.785 40.29,30.785
MASS2 on Bottom Layer "Top Mass1" (solid, remove dead copper, pour order 4): 19.899,130.81 19.914,130.795 19.914,108.966 19.914,105.969 19.899,105.969 19.899,30.81 18.237,30.81 18.212,30.785 18.212,130.785
MASS1 on Bottom Layer "Top Mass1" (solid, remove dead copper, pour order 3): 116.525,130.81 116.51,130.795 116.51,108.966 116.51,105.969 116.525,105.969 116.525,30.81 118.186,30.81 118.212,30.785 118.212,130.785

## Keep-outs
Keep-Out Layer:
  the board outline again, w0.254

## Other copper
Top Layer:
  pour cut-out: 23.495,72.365 23.508,72.352 26.48,72.352 26.48,64.712 26.714,64.478 26.523,64.287 23.515,64.287
  region net VB_OUT: 71.783,100.75 75.929,100.75 76.069,100.609 76.069,97.761 75.932,97.623 71.752,97.623 71.633,97.743 71.633,100.6
  region net VBAT: 39.34,56.991 39.258,56.909 39.258,56.851 39.258,55.502 38.884,55.128 36.982,53.227 36.982,50.14 37.147,49.975 39.883,49.975 40.038,50.13 40.038,56.909 39.956,56.991
  region net VB_OUT: 39.457,74.128 39.266,73.937 39.258,71.819 39.258,59.173 39.34,59.091 39.956,59.091 40.038,59.173 40.038,60.344 41.993,62.299 41.993,63.949 42.568,64.524 44.976,64.524 45.095,64.644 45.095,66.331 41.993,66.331 41.808,66.515 41.808,68.533 41.265,69.076 41.265,73.978 41.115,74.128
  region net +5V: 38.458,59.053 38.458,62.228 36.017,64.668 36.017,66.802 35.865,66.954 30.676,66.954 29.687,67.943 29.687,72.158 29.493,72.352 26.48,72.352 26.264,72.136 26.264,64.928 26.714,64.478 26.752,64.516 30.356,64.516 30.952,63.92 30.952,59.342 32.052,59.342 32.052,60.342 32.581,60.872 35.751,60.872 36.731,60.872 36.957,60.646 36.957,58.852 37.158,58.651 38.585,58.651 38.608,58.674 38.608,58.903
  region net NetC1_2: 21.819,56.902 21.952,57.036 21.952,57.939 22.519,58.506 23.556,58.506 23.673,58.623 23.673,72.187 23.495,72.365 20.371,72.365 20.269,72.263 20.269,57.048 20.415,56.902
  region net NetC6_2: 24.028,53.246 23.356,52.578 21.895,52.578 21.527,52.21 21.527,43.675 21.615,43.586 23.825,43.586 23.952,43.713 23.952,51.41 24.816,52.273 24.816,55.093 24.751,55.158 24.119,55.158 24.028,55.067
  region net NetD1_2: 29.032,47.32 29.185,47.168 29.185,40.38 29.063,40.259 25.452,40.259 25.337,40.374 25.337,47.155 25.502,47.32
  region net "VIN 24V": 24.054,42.139 23.952,42.24 21.26,42.24 21.196,42.177 21.196,36.284 21.311,36.17 26.035,36.17 26.137,36.271 26.137,39.04 26.029,39.148 24.229,39.148 24.054,39.322
  region net VBAT_BB: 74.969,101.168 75.11,101.027 82.587,101.027 83.23,101.67 85.752,101.67 85.987,101.904 85.987,103.536 85.752,103.77 82.917,103.77 82.296,103.149 75.057,103.149 74.969,103.062
  region net VBAT_RF: 74.969,103.694 75.108,103.556 81.81,103.556 82.525,104.27 85.752,104.27 85.987,104.504 85.987,106.136 85.752,106.37 83.721,106.37 75.103,106.37 74.969,106.237
  region net V_DD: 70.206,105.101 70.083,104.979 70.083,102.374 70.307,102.15 71.533,102.15 72.464,101.219 74.397,101.219 74.498,101.321 74.498,104.927 74.324,105.101
Layer 3:
  region net VB_OUT: 39.243,65.1 39.243,92.05 49.002,101.809 75.864,101.809 76.069,101.604 76.069,97.761 75.921,97.612 71.764,97.612 70.57,98.806 50.317,98.806 42.418,90.907 42.418,64.374 41.993,63.949 41.993,62.299 40.565,60.872 39.412,60.872 39.243,61.022
  region net SIM_GND: 105.769,68.354 105.779,68.344 109.069,68.344 109.069,64.486 109.037,64.454 105.788,64.454

## Silkscreen, mask and mechanical layers (free items; w line width, h text height)
Top Overlay:
  text "+3V3" at 69.321,89.727 h1.2 r270
  text "CLK" at 73.528,86.334 h1.2 r270
  text "GND" at 73.528,83.929 h1.2 r270
  text "DIO" at 73.528,81.497 h1.2 r270
Bottom Overlay:
  lines w0.254: 22.038,39.147 31.048,39.147 ; 22.038,48.87 31.048,48.87 ; 26.543,39.147 26.543,48.87 ; 30.725,113.132 47.355,113.132 ; 30.725,122.854 47.355,122.854 ; 31.436,39.147 40.446,39.147 ; 31.436,48.87 40.446,48.87 ; 35.23,113.132 35.23,122.854 ; 35.941,39.147 35.941,48.87 ; 39.04,113.132 39.04,122.854 ; 40.859,39.147 49.869,39.147 ; 40.859,48.87 49.869,48.87 ; 42.85,113.132 42.85,122.854 ; 45.364,39.147 45.364,48.87 ; 47.769,113.132 64.398,113.132 ; 47.769,122.854 64.398,122.854 ; 50.308,39.147 59.318,39.147 ; 50.308,48.87 59.318,48.87 ; 52.273,113.132 52.273,122.854 ; 54.813,39.147 54.813,48.87 ; 56.083,113.132 56.083,122.854 ; 59.757,39.147 68.767,39.147 ; 59.757,48.87 68.767,48.87 ; 59.893,113.132 59.893,122.854 ; 64.262,39.147 64.262,48.87 ; 64.862,113.132 73.873,113.132 73.873,109.404 64.862,109.404 64.862,129.916 73.873,129.916 73.873,112.461 ; 64.862,122.854 73.873,122.854 ; 69.215,39.155 82.035,39.155 ; 69.215,48.877 82.035,48.877 ; 69.367,113.132 69.367,122.854 ; 73.72,39.155 73.72,48.877 ; 74.387,113.132 83.398,113.132 83.398,109.404 74.387,109.404 74.387,129.916 83.398,129.916 83.398,112.461 ; 74.387,122.854 83.398,122.854 ; 77.53,39.155 77.53,48.877 ; 78.892,113.132 78.892,122.854 ; 82.499,39.155 91.509,39.155 ; 82.499,48.877 91.509,48.877 ; 83.811,113.132 93.04,113.132 93.04,122.854 ; 83.811,122.854 92.821,122.854 105.953,122.854 ; 87.004,39.155 87.004,48.877 ; 88.316,113.132 88.316,122.854 ; 91.964,39.155 104.784,39.155 ; 91.964,48.877 104.784,48.877 ; 93.133,113.132 105.953,113.132 ; 96.469,39.155 96.469,48.877 ; 97.638,113.132 97.638,122.854 ; 100.279,39.155 100.279,48.877 ; 101.448,113.132 101.448,122.854 ; 105.248,39.155 114.258,39.155 ; 105.248,48.877 114.258,48.877 ; 109.753,39.155 109.753,48.877 ; 22.038,31.217 22.038,48.672 22.038,52.598 31.048,52.598 31.048,31.217 22.038,31.217 ; 30.725,109.404 30.725,129.896 47.355,129.896 47.355,113.33 47.355,109.404 30.725,109.404 ; 31.436,31.217 40.446,31.217 40.446,52.598 31.436,52.598 31.436,48.672 31.436,31.217 ; 40.859,31.217 40.859,48.672 40.859,52.598 49.869,52.598 49.869,31.217 40.859,31.217 ; 47.769,109.404 64.398,109.404 64.398,113.33 64.398,129.896 47.769,129.896 47.769,109.404 ; 50.308,31.217 59.318,31.217 59.318,52.598 50.308,52.598 50.308,48.672 50.308,31.217 ; 59.757,31.217 68.767,31.217 68.767,52.605 59.757,52.605 59.757,48.672 59.757,31.217 ; 69.215,31.224 82.035,31.224 82.035,52.605 69.215,52.605 69.215,48.679 69.215,31.224 ; 82.499,31.224 82.499,48.679 82.499,52.562 91.509,52.562 91.509,31.224 82.499,31.224 ; 83.811,109.404 83.811,129.916 92.821,129.916 105.953,129.916 105.953,109.404 102.143,109.404 92.821,109.404 83.811,109.404 ; 91.964,31.224 91.964,48.679 91.964,52.605 104.784,52.605 104.784,31.224 91.964,31.224 ; 105.248,31.224 114.258,31.224 114.258,52.562 105.248,52.562 105.248,48.679 105.248,31.224
  text "-SENSOR" at 77.034,120.907 h1.52 r90
  text "+SENSOR" at 81.251,120.907 h1.52 r90
  text "RS485_B" at 67.605,120.261 h1.52 r90
  text "RS485_A" at 71.688,120.269 h1.52 r90
  text "OUTPUT2" at 41.369,120.087 h1.52 r90
  text "OUTPUT4" at 58.413,120.087 h1.52 r90
  text "VOUT1+2" at 33.309,119.96 h1.52 r90
  text "VOUT3+4" at 50.352,119.96 h1.52 r90
  text "OUTPUT1" at 37.501,119.887 h1.52 r90
  text "OUTPUT3" at 54.544,119.887 h1.52 r90
  text "VIN" at 95.925,118.084 h1.52 r90
  text "IN3" at 86.648,117.86 h1.52 r90
  text "IN4" at 90.875,117.856 h1.52 r90
  text "IN2" at 103.686,117.851 h1.52 r90
  text "IN1" at 99.876,117.672 h1.52 r90
  text "0V" at 45.729,115.894 h1.52 r90
  text "0V" at 62.773,115.894 h1.52 r90
  text "INPUT_OPTO" at 100.593,110.28 h1.52
  text "TRANS_OUT1+2" at 44.264,110.27 h1.52
  text "TRANS_OUT3+4" at 61.311,110.27 h1.52
  text "RS485" at 71.874,110.249 h1.52
  text "OUTPUT 4-20mA" at 82.001,110.043 h1.52
  text "VIN" at 28.218,50.065 h2
  text "INPUT  / CYBLE_1" at 78.808,49.526 h1.52
  text "INPUT  / CYBLE_2" at 101.557,49.526 h1.52
  text "INPUT  / 4-20mA_4" at 39.437,49.482 h1.52
  text "INPUT  / 4-20mA_3" at 48.861,49.482 h1.52
  text "INPUT  / 4-20mA_2" at 58.309,49.482 h1.52
  text "INPUT  / 4-20mA_1" at 67.758,49.482 h1.52
  text "INPUT  / CYBLE_1" at 89.809,49.38 h1.52
  text "INPUT  / CYBLE_2" at 112.558,49.38 h1.52
  text "0V" at 24.146,42.647 h1.52 r270
  text "CIR2" at 71.184,41.885 h1.52 r270
  text "DIR2" at 74.978,41.885 h1.52 r270
  text "PWM2" at 78.788,41.885 h1.52 r270
  text "0V" at 84.039,41.885 h1.52 r270
  text "VEXT_1" at 88.9,41.886 h1.52 r270
  text "CIR2" at 93.869,41.885 h1.52 r270
  text "DIR2" at 97.79,41.885 h1.52 r270
  text "PWM2" at 101.956,41.885 h1.52 r270
  text "0V" at 106.788,41.885 h1.52 r270
  text "VEXT_2" at 111.573,41.886 h1.52 r270
  text "+24VDC" at 28.051,40.872 h1.52 r270
  text "+SENSOR" at 33.514,40.449 h1.52 r270
  text "-SENSOR" at 37.324,40.446 h1.52 r270
  text "+SENSOR" at 42.937,40.449 h1.52 r270
  text "-SENSOR" at 46.747,40.446 h1.52 r270
  text "+SENSOR" at 52.386,40.449 h1.52 r270
  text "-SENSOR" at 56.196,40.446 h1.52 r270
  text "+SENSOR" at 61.835,40.449 h1.52 r270
  text "-SENSOR" at 65.645,40.446 h1.52 r270
Top Solder:
  rectangle: 18.212,30.785 20.012,130.785
  region: 118.212,130.785 116.412,130.785 116.412,30.785 118.212,30.785
Bottom Solder:
  rectangle: 18.212,30.797 20.012,130.797
  region: 118.212,130.785 116.412,130.785 116.412,30.785 118.212,30.785
Mechanical 2:
  lines w0.254: 48.508,120.086 48.508,125.146 68.186,125.146 87.865,125.146 ; 68.466,120.676 68.466,125.146

## Text inside footprints (layer, text, board x,y; h text height)
C46: Top Overlay "+" at 57.937,60.777 h3 r90
U8: Top Overlay "+" at 76.365,63.703 h1.52